# Altium PCB Spektrop2_PCB_Combined_CMV4000_V2.PcbDoc (part 1 of 6) (continued)
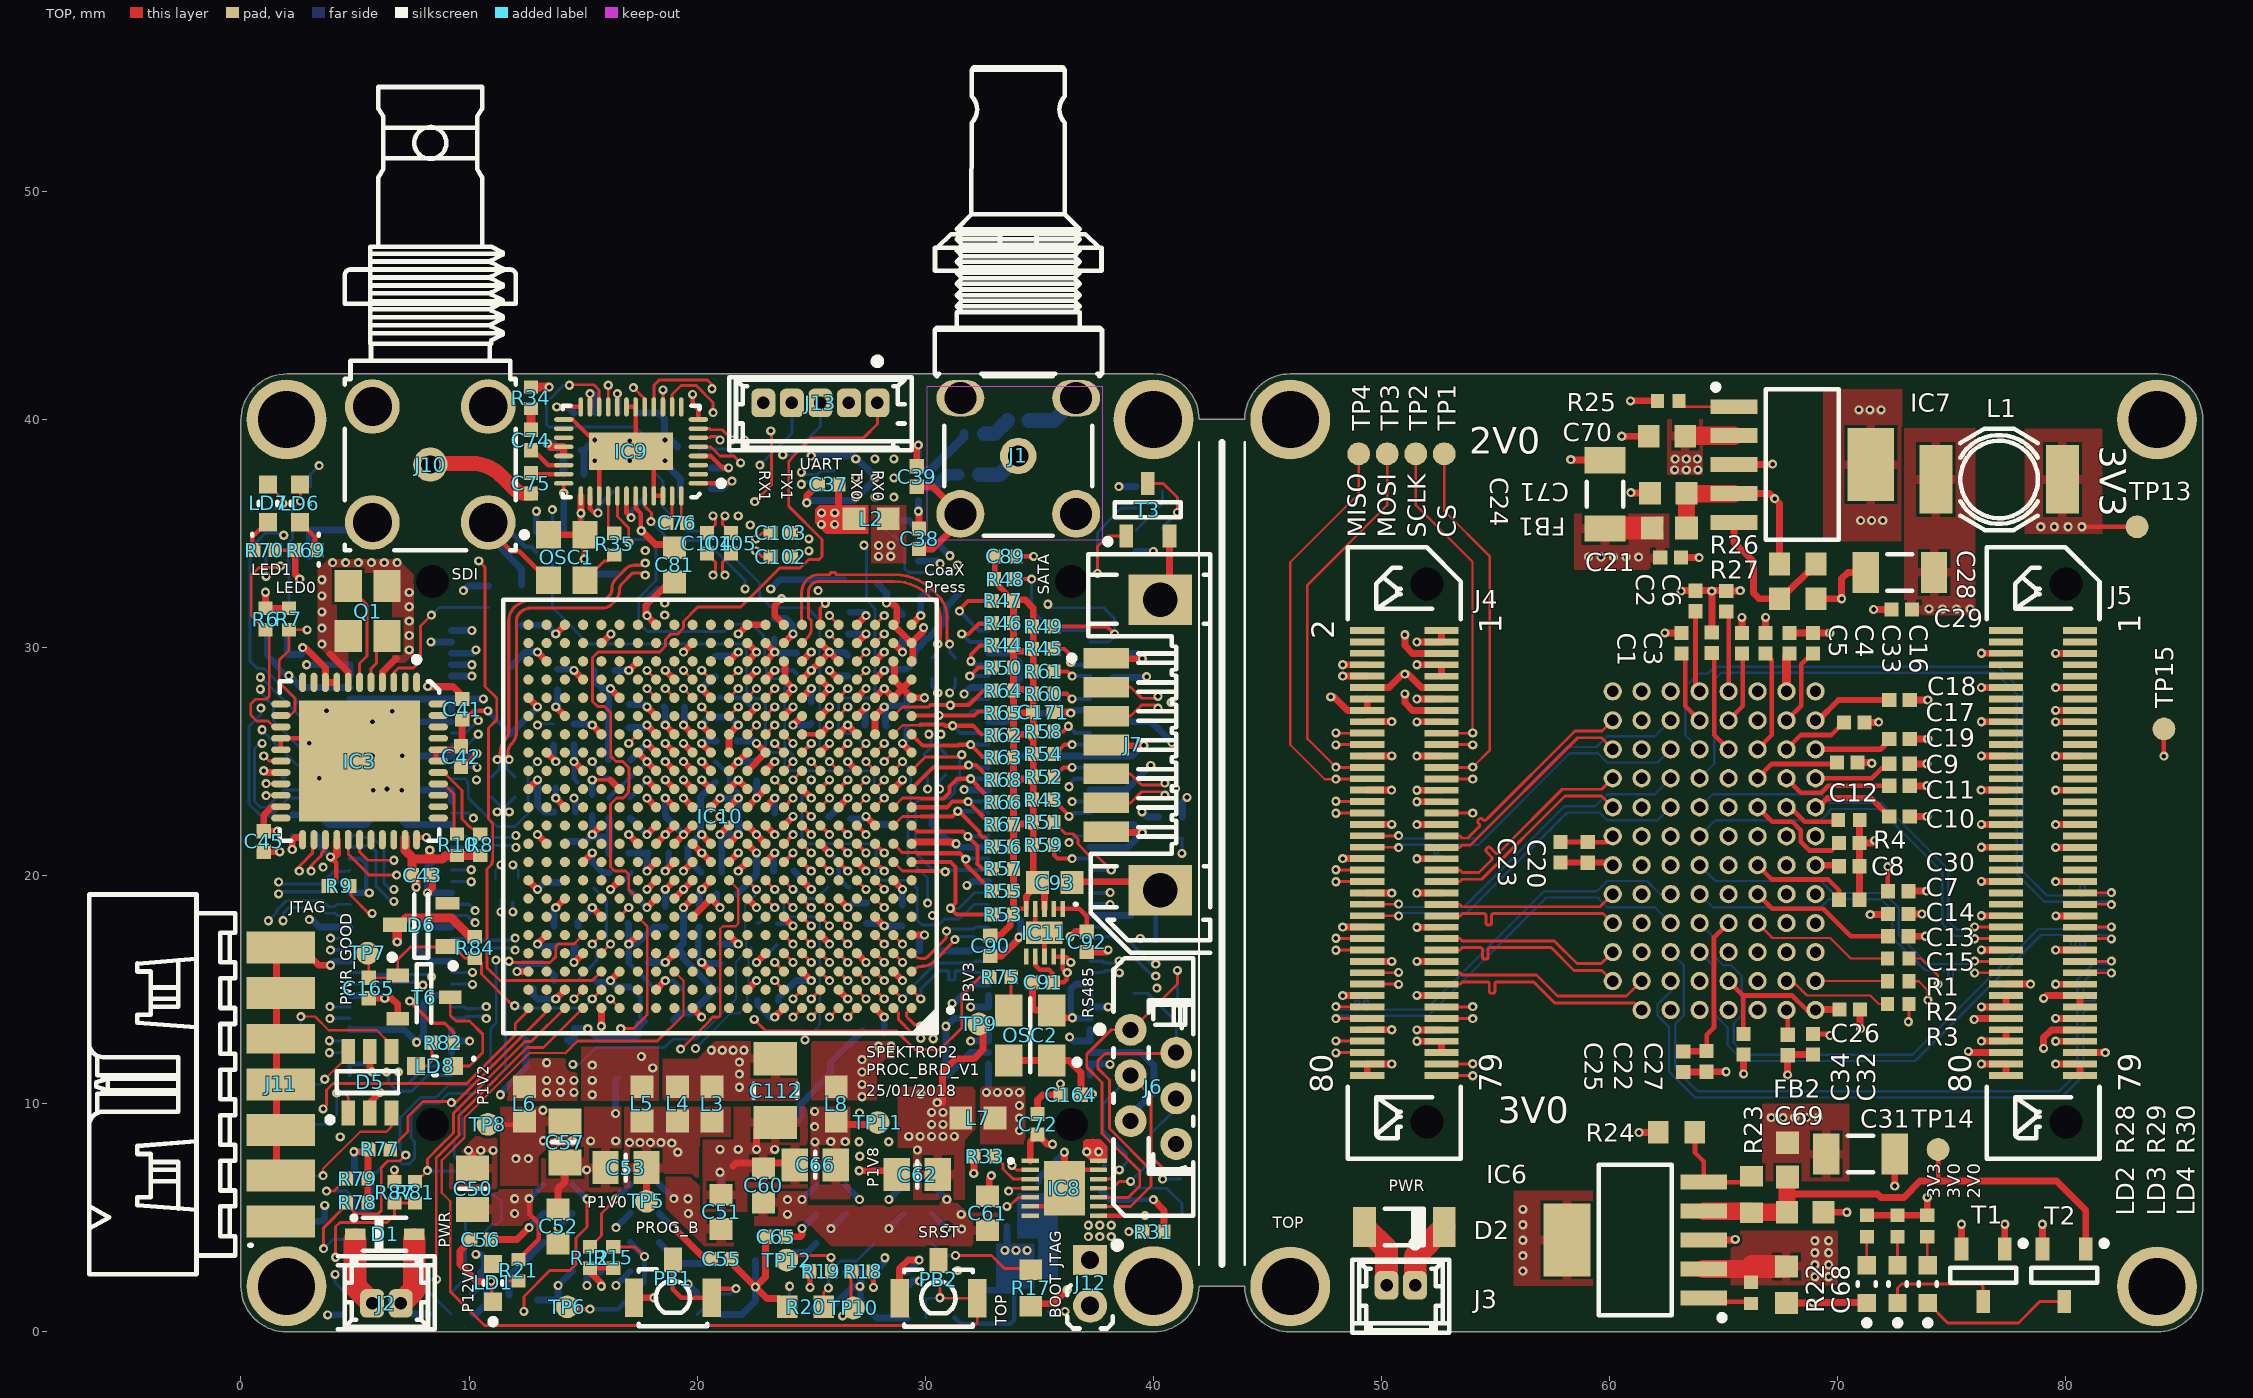
[diagram p0: TOP view]
## Classes and differential pairs
component class U_Zynq_FPGA_Bank35: LD6 LD7 R69 R70 T4 T5
net class FPGA_BANK34_HSTL_IO[3..0]: FPGA_BANK34_HSTL_IO0 FPGA_BANK34_HSTL_IO1 FPGA_BANK34_HSTL_IO2 FPGA_BANK34_HSTL_IO3
net class FPGA_BANK34_HSTL_IN_IO[25..0]: FPGA_BANK34_HSTL_IN_IO0 FPGA_BANK34_HSTL_IN_IO1 FPGA_BANK34_HSTL_IN_IO2 FPGA_BANK34_HSTL_IN_IO3 FPGA_BANK34_HSTL_IN_IO4 FPGA_BANK34_HSTL_IN_IO5 FPGA_BANK34_HSTL_IN_IO6 FPGA_BANK34_HSTL_IN_IO7 FPGA_BANK34_HSTL_IN_IO8 FPGA_BANK34_HSTL_IN_IO9 FPGA_BANK34_HSTL_IN_IO10 FPGA_BANK34_HSTL_IN_IO11 FPGA_BANK34_HSTL_IN_IO12 FPGA_BANK34_HSTL_IN_IO13 FPGA_BANK34_HSTL_IN_IO14 FPGA_BANK34_HSTL_IN_IO15 FPGA_BANK34_HSTL_IN_IO16 FPGA_BANK34_HSTL_IN_IO17 FPGA_BANK34_HSTL_IN_IO18 FPGA_BANK34_HSTL_IN_IO19 FPGA_BANK34_HSTL_IN_IO20 FPGA_BANK34_HSTL_IN_IO21 FPGA_BANK34_HSTL_IN_IO22 FPGA_BANK34_HSTL_IN_IO23 FPGA_BANK34_HSTL_IN_IO24 FPGA_BANK34_HSTL_IN_IO25
net class SE50: FPGA_BANK34_HSTL_IN_IO0 FPGA_BANK34_HSTL_IN_IO1 FPGA_BANK34_HSTL_IN_IO5 FPGA_BANK34_HSTL_IN_IO7 FPGA_BANK34_HSTL_IN_IO8 FPGA_BANK34_HSTL_IN_IO9 FPGA_BANK34_HSTL_IN_IO10 FPGA_BANK34_HSTL_IN_IO11 FPGA_BANK34_HSTL_IN_IO12 FPGA_BANK34_HSTL_IN_IO13 FPGA_BANK34_HSTL_IN_IO14 FPGA_BANK34_HSTL_IN_IO15 FPGA_BANK34_HSTL_IN_IO16 FPGA_BANK34_HSTL_IN_IO17 FPGA_BANK34_HSTL_IN_IO18 FPGA_BANK34_HSTL_IN_IO19 FPGA_BANK34_HSTL_IN_IO20 FPGA_BANK34_HSTL_IN_IO21 FPGA_BANK34_HSTL_IN_IO22 FPGA_BANK34_HSTL_IN_IO23 FPGA_BANK34_HSTL_IN_IO24 FPGA_BANK34_HSTL_IN_IO25 FPGA_BANK34_HSTL_IO0 FPGA_BANK34_HSTL_IO1 FPGA_BANK34_HSTL_IO2 FPGA_BANK34_HSTL_IO3 GS12281_GPIO1 PUDC_B SI5340_LOS_XAXBb Si5340_nLOL SI5340_nRST
net class DIFF100: CLK_MGT0_C_N CLK_MGT0_C_P CLK_MGT0_N CLK_MGT0_P CLK_MGT1_C_N CLK_MGT1_C_P CLK_MGT1_N CLK_MGT1_P FPGA_BANK35_DIFF1_N FPGA_BANK35_DIFF1_P FPGA_BANK35_DIFF2_N FPGA_BANK35_DIFF2_P FPGA_BANK35_DIFF3_N FPGA_BANK35_DIFF3_P FPGA_BANK35_DIFF4_N FPGA_BANK35_DIFF4_P FPGA_BANK35_DIFF5_N FPGA_BANK35_DIFF5_P FPGA_BANK35_DIFF6_N FPGA_BANK35_DIFF6_P FPGA_BANK35_DIFF7_N FPGA_BANK35_DIFF7_P FPGA_BANK35_DIFF8_N FPGA_BANK35_DIFF8_P FPGA_BANK35_DIFF9_N FPGA_BANK35_DIFF9_P FPGA_BANK35_DIFF10_N FPGA_BANK35_DIFF10_P FPGA_BANK35_DIFF11_N FPGA_BANK35_DIFF11_P FPGA_BANK35_DIFF12_N FPGA_BANK35_DIFF12_P FPGA_BANK35_DIFF13_N FPGA_BANK35_DIFF13_P FPGA_BANK35_DIFF14_N FPGA_BANK35_DIFF14_P FPGA_BANK35_DIFF15_N FPGA_BANK35_DIFF15_P FPGA_BANK35_DIFF16_N FPGA_BANK35_DIFF16_P FPGA_BANK35_DIFF17_N FPGA_BANK35_DIFF17_P FPGA_BANK35_DIFF18_N FPGA_BANK35_DIFF18_P FPGA_BANK35_DIFF19_N FPGA_BANK35_DIFF19_P LVDS_CLK_N LVDS_CLK_P MGT_RX0_C_N MGT_RX0_C_P MGT_RX0_N MGT_RX0_P MGT_TX0_C_N MGT_TX0_C_P MGT_TX0_N MGT_TX0_P MGT_TX1_C_N MGT_TX1_C_P MGT_TX1_N MGT_TX1_P MGT_TX2_C_N MGT_TX2_C_P MGT_TX2_N MGT_TX2_P OUT1_N OUT1_P OUT2_N OUT2_P OUT3_N OUT3_P OUT4_N OUT4_P OUT5_N OUT5_P OUT6_N OUT6_P OUT7_N OUT7_P OUT8_N OUT8_P OUT9_N OUT9_P OUT10_N OUT10_P OUT11_N OUT11_P OUT12_N OUT12_P OUT13_N OUT13_P OUT14_N OUT14_P OUT15_N OUT15_P OUT16_N OUT16_P OUTCLK_N OUTCLK_P OUTCTR_N OUTCTR_P
net class Bank34: BANK34_VRN BANK34_VRP COAXPRESS_UPLINK FPGA_BANK34_HSTL_IN_IO0 FPGA_BANK34_HSTL_IN_IO1 FPGA_BANK34_HSTL_IN_IO2 FPGA_BANK34_HSTL_IN_IO3 FPGA_BANK34_HSTL_IN_IO4 FPGA_BANK34_HSTL_IN_IO5 FPGA_BANK34_HSTL_IN_IO6 FPGA_BANK34_HSTL_IN_IO7 FPGA_BANK34_HSTL_IN_IO8 FPGA_BANK34_HSTL_IN_IO9 FPGA_BANK34_HSTL_IN_IO10 FPGA_BANK34_HSTL_IN_IO11 FPGA_BANK34_HSTL_IN_IO12 FPGA_BANK34_HSTL_IN_IO13 FPGA_BANK34_HSTL_IN_IO14 FPGA_BANK34_HSTL_IN_IO15 FPGA_BANK34_HSTL_IN_IO16 FPGA_BANK34_HSTL_IN_IO17 FPGA_BANK34_HSTL_IN_IO18 FPGA_BANK34_HSTL_IN_IO19 FPGA_BANK34_HSTL_IN_IO20 FPGA_BANK34_HSTL_IN_IO21 FPGA_BANK34_HSTL_IN_IO22 FPGA_BANK34_HSTL_IN_IO23 FPGA_BANK34_HSTL_IN_IO24 FPGA_BANK34_HSTL_IN_IO25 FPGA_BANK34_HSTL_IO0 FPGA_BANK34_HSTL_IO1 FPGA_BANK34_HSTL_IO2 FPGA_BANK34_HSTL_IO3 GS12281_GPIO0 GS12281_GPIO1 GS12281_GPIO2 GS12281_GPIO3 GS12281_nCS GS12281_SCLK GS12281_SDIN GS12281_SDOUT PUDC_B RS485_RX RS485_TX SI5340_LOS_XAXBb SI5340_nINTR Si5340_nLOL SI5340_nRST SI5340_SCL SI5340_SDA
net class Bank35: FPGA_BANK35_DIFF1_N FPGA_BANK35_DIFF1_P FPGA_BANK35_DIFF2_N FPGA_BANK35_DIFF2_P FPGA_BANK35_DIFF3_N FPGA_BANK35_DIFF3_P FPGA_BANK35_DIFF4_N FPGA_BANK35_DIFF4_P FPGA_BANK35_DIFF5_N FPGA_BANK35_DIFF5_P FPGA_BANK35_DIFF6_N FPGA_BANK35_DIFF6_P FPGA_BANK35_DIFF7_N FPGA_BANK35_DIFF7_P FPGA_BANK35_DIFF8_N FPGA_BANK35_DIFF8_P FPGA_BANK35_DIFF9_N FPGA_BANK35_DIFF9_P FPGA_BANK35_DIFF10_N FPGA_BANK35_DIFF10_P FPGA_BANK35_DIFF11_N FPGA_BANK35_DIFF11_P FPGA_BANK35_DIFF12_N FPGA_BANK35_DIFF12_P FPGA_BANK35_DIFF13_N FPGA_BANK35_DIFF13_P FPGA_BANK35_DIFF14_N FPGA_BANK35_DIFF14_P FPGA_BANK35_DIFF15_N FPGA_BANK35_DIFF15_P FPGA_BANK35_DIFF16_N FPGA_BANK35_DIFF16_P FPGA_BANK35_DIFF17_N FPGA_BANK35_DIFF17_P FPGA_BANK35_DIFF18_N FPGA_BANK35_DIFF18_P FPGA_BANK35_DIFF19_N FPGA_BANK35_DIFF19_P LED0 LED1
net class Bank13: FPGA_BANK13_IO0 FPGA_BANK13_IO1 FPGA_BANK13_IO2 FPGA_BANK13_IO3 FPGA_BANK13_IO4 FPGA_BANK13_IO5 FPGA_BANK13_IO6 FPGA_BANK13_IO7 FPGA_BANK13_IO8 FPGA_BANK13_IO9 FPGA_BANK13_IO10
net class 75OHM: NetC35_2 NetC36_1 NetC36_2 nSDO0 nSDO0_C SDO0 SDO0_C SDO_P
component class U_UHD_SDI: C74 C75 C76 C77 C78 C79 C80 C81 C82 C83 C84 C85 C86 C87 IC9 J10 OSC1 R34 R35
net class FPGA_BANK13_IO[10..0]: FPGA_BANK13_IO0 FPGA_BANK13_IO1 FPGA_BANK13_IO2 FPGA_BANK13_IO3 FPGA_BANK13_IO4 FPGA_BANK13_IO5 FPGA_BANK13_IO6 FPGA_BANK13_IO7 FPGA_BANK13_IO8 FPGA_BANK13_IO9 FPGA_BANK13_IO10
component class U_Zynq_FPGA_Bank34: C89 C90 C91 C92 C93 C171 IC11 LD? R42 R43 R44 R45 R46 R47 R48 R49 R50 R51 R52 R53 R54 R55 R56 R57 R58 R59 R60 R61 R62 R63 R64 R65 R66 R67 R68 R71 R72 R73 R? T?
component class U_Sensor_Board_Connectors_80_pin: J8 J9
component class U_SATA: J7
component class U_MGT_Clock_Generation: C41 C42 C43 C44 C45 C46 C47 C48 C49 IC3 Q1 R6 R7 R8 R9 R10 R11
net class JTAG: TCK TDI TDO TDO_R TMS
component class U_Zynq_PS: C164 C165 C166 C167 D5 D6 IC12 J11 J12 J13 LD8 OSC2 PB2 R75 R76 R77 R78 R79 R80 R81 R82 R83 R84 R85 R86 R87 R88 R89 R90 T6
component class U_Zynq_Power: C106 C107 C108 C109 C110 C111 C112 C113 C114 C115 C116 C117 C118 C119 C120 C121 C122 C123 C124 C125 C126 C127 C128 C129 C130 C131 C132 C133 C134 C135 C136 C137 C138 C139 C140 C141 C142 C143 C144 C145 C146 C147 C148 C149 C150 C151 C152 C153 C154 C155 C156 C157 C158 C159 C160 C161 C162 C163 L9 L10 L11 L12
component class U_Zynq_MGT: C94 C95 C96 C97 C98 C99 C100 C101 C102 C103 C104 C105 R74
component class U_Zynq_Config: C88 LD5 PB1 R36 R37 R38 R39 R40 R41 T3
net class PWR: GND MGTAVCC MGTAVTT P0V9 P1V0 P1V0_L P1V2 P1V2_F P1V8 P1V8_L P2V0 P2V5 P2V5_R P3V0 P3V3 P3V3_L P12V0 VDD20 VDD33 VDDpix
component class CoaXPress: C35 C36 C37 C38 C39 C40 IC2 J1 L2 R5
component class Power: C50 C51 C52 C53 C54 C55 C56 C57 C58 C59 C60 C61 C62 C63 C64 C65 C66 C67 C168 C169 C170 D1 IC4 IC5 IC13 J2 L3 L4 L5 L6 L7 L8 LD1 R12 R13 R14 R15 R16 R17 R18 R19 R20 R21 R91 TP5 TP6 TP7 TP8 TP9 TP10 TP11 TP12 TP16
component class RS485: C72 C73 C? D3 D4 IC8 J6 R31 R32 R33
component class U_Zynq_FPGA_Bank13: IC10
net class MGT: CLK_MGT0_C_N CLK_MGT0_C_P CLK_MGT0_N CLK_MGT0_P CLK_MGT1_C_N CLK_MGT1_C_P CLK_MGT1_N CLK_MGT1_P MGT_RX0_C_N MGT_RX0_C_P MGT_RX0_N MGT_RX0_P MGT_TX0_C_N MGT_TX0_C_P MGT_TX0_N MGT_TX0_P MGT_TX1_C_N MGT_TX1_C_P MGT_TX1_N MGT_TX1_P MGT_TX2_C_N MGT_TX2_C_P MGT_TX2_N MGT_TX2_P nSDO0 nSDO0_C SDO0 SDO0_C
net class CLK: CLK_MGT0_C_N CLK_MGT0_C_P CLK_MGT0_N CLK_MGT0_P CLK_MGT1_C_N CLK_MGT1_C_P CLK_MGT1_N CLK_MGT1_P
net class HSTL_IN: FPGA_BANK34_HSTL_IN_IO0 FPGA_BANK34_HSTL_IN_IO1 FPGA_BANK34_HSTL_IN_IO5 FPGA_BANK34_HSTL_IN_IO7 FPGA_BANK34_HSTL_IN_IO8 FPGA_BANK34_HSTL_IN_IO10 FPGA_BANK34_HSTL_IN_IO11 FPGA_BANK34_HSTL_IN_IO12 FPGA_BANK34_HSTL_IN_IO13 FPGA_BANK34_HSTL_IN_IO14 FPGA_BANK34_HSTL_IN_IO15 FPGA_BANK34_HSTL_IN_IO16 FPGA_BANK34_HSTL_IN_IO17 FPGA_BANK34_HSTL_IN_IO18 FPGA_BANK34_HSTL_IN_IO19 FPGA_BANK34_HSTL_IN_IO20 FPGA_BANK34_HSTL_IN_IO21 FPGA_BANK34_HSTL_IN_IO22 FPGA_BANK34_HSTL_IN_IO23 FPGA_BANK34_HSTL_IN_IO24 FPGA_BANK34_HSTL_IN_IO25 FPGA_BANK34_HSTL_IO3 GS12281_GPIO1 SI5340_LOS_XAXBb Si5340_nLOL SI5340_nRST
net class CTRL: CLK_IN FRAME_REQ SPI_CLK SPI_EN SPI_IN SPI_OUT SYS_RES_N T_dig1 T_dig2 T_Exp1 T_Exp2
component class U_CMV4000: C1 C2 C3 C4 C5 C6 C7 C8 C9 C10 C11 C12 C13 C14 C15 C16 C17 C18 C19 C20 C21 C22 C23 C24 C25 C26 C27 C28 C29 C30 C31 C32 C33 C34 FB1 FB2 IC1 L1 R1 R2 R3 R4 TP1 TP2 TP3 TP4
component class U_Power: C68 C69 C70 C71 D2 IC6 IC7 J3 LD2 LD3 LD4 R22 R23 R24 R25 R26 R27 R28 R29 R30 T1 T2 TP13 TP14 TP15
component class U_Processor_Board_Connectors: J4 J5
differential pair FPGA_BANK35_DIFF19: +FPGA_BANK35_DIFF19_P -FPGA_BANK35_DIFF19_N
differential pair FPGA_BANK35_DIFF18: +FPGA_BANK35_DIFF18_P -FPGA_BANK35_DIFF18_N
differential pair FPGA_BANK35_DIFF17: +FPGA_BANK35_DIFF17_P -FPGA_BANK35_DIFF17_N
differential pair FPGA_BANK35_DIFF16: +FPGA_BANK35_DIFF16_P -FPGA_BANK35_DIFF16_N
differential pair FPGA_BANK35_DIFF15: +FPGA_BANK35_DIFF15_P -FPGA_BANK35_DIFF15_N
differential pair FPGA_BANK35_DIFF14: +FPGA_BANK35_DIFF14_P -FPGA_BANK35_DIFF14_N
differential pair FPGA_BANK35_DIFF13: +FPGA_BANK35_DIFF13_P -FPGA_BANK35_DIFF13_N
differential pair FPGA_BANK35_DIFF12: +FPGA_BANK35_DIFF12_P -FPGA_BANK35_DIFF12_N
differential pair FPGA_BANK35_DIFF11: +FPGA_BANK35_DIFF11_P -FPGA_BANK35_DIFF11_N
differential pair FPGA_BANK35_DIFF10: +FPGA_BANK35_DIFF10_P -FPGA_BANK35_DIFF10_N
differential pair FPGA_BANK35_DIFF9: +FPGA_BANK35_DIFF9_P -FPGA_BANK35_DIFF9_N
differential pair FPGA_BANK35_DIFF8: +FPGA_BANK35_DIFF8_P -FPGA_BANK35_DIFF8_N
differential pair FPGA_BANK35_DIFF7: +FPGA_BANK35_DIFF7_P -FPGA_BANK35_DIFF7_N
differential pair FPGA_BANK35_DIFF6: +FPGA_BANK35_DIFF1_P -FPGA_BANK35_DIFF1_N
differential pair FPGA_BANK35_DIFF5: +FPGA_BANK35_DIFF5_P -FPGA_BANK35_DIFF5_N
differential pair FPGA_BANK35_DIFF4: +FPGA_BANK35_DIFF4_P -FPGA_BANK35_DIFF4_N
differential pair FPGA_BANK35_DIFF3: +FPGA_BANK35_DIFF3_P -FPGA_BANK35_DIFF3_N
differential pair FPGA_BANK35_DIFF2: +FPGA_BANK35_DIFF2_P -FPGA_BANK35_DIFF2_N
differential pair FPGA_BANK35_DIFF1: +FPGA_BANK35_DIFF6_P -FPGA_BANK35_DIFF6_N
differential pair MGT_TX1: +MGT_TX1_P -MGT_TX1_N
differential pair CLK_MGT1: +CLK_MGT1_P -CLK_MGT1_N
differential pair CLK_MGT1_C: +CLK_MGT1_C_P -CLK_MGT1_C_N
differential pair CLK_MGT0: +CLK_MGT0_P -CLK_MGT0_N
differential pair CLK_MGT0_C: +CLK_MGT0_C_P -CLK_MGT0_C_N
differential pair MGT_TX0: +MGT_TX0_P -MGT_TX0_N
differential pair MGT_TX2: +MGT_TX2_P -MGT_TX2_N
differential pair MGT_TX0_C: +MGT_TX0_C_P -MGT_TX0_C_N
differential pair MGT_TX1_C: +MGT_TX1_C_P -MGT_TX1_C_N
differential pair MGT_TX2_C: +MGT_TX2_C_P -MGT_TX2_C_N
differential pair MGT_RX0_C: +MGT_RX0_C_P -MGT_RX0_C_N
differential pair MGT_RX0: +MGT_RX0_P -MGT_RX0_N
differential pair LVDS_CLK: +LVDS_CLK_P -LVDS_CLK_N
differential pair OUT1: +OUT1_P -OUT1_N
differential pair OUT2: +OUT2_P -OUT2_N
differential pair OUT3: +OUT3_P -OUT3_N
differential pair OUT4: +OUT4_P -OUT4_N
differential pair OUT5: +OUT5_P -OUT5_N
differential pair OUT6: +OUT6_P -OUT6_N
differential pair OUT7: +OUT7_P -OUT7_N
differential pair OUT8: +OUT8_P -OUT8_N
differential pair OUT9: +OUT9_P -OUT9_N
differential pair OUT10: +OUT10_P -OUT10_N
differential pair OUT11: +OUT11_P -OUT11_N
differential pair OUT12: +OUT12_P -OUT12_N
differential pair OUT13: +OUT13_P -OUT13_N
differential pair OUT14: +OUT14_P -OUT14_N
differential pair OUT15: +OUT15_P -OUT15_N
differential pair OUT16: +OUT16_P -OUT16_N
differential pair OUTCLK: +OUTCLK_P -OUTCLK_N
differential pair OUTCTR: +OUTCTR_P -OUTCTR_N

## Components (designator, comment, footprint, x,y, rotation, side; value= is the part's Value field where it differs from the comment)
C1 "100nF" CAPC1005X55N 63.158,30.197 r270 top locked
C2 "100nF" CAPC1005X55N 63.767,32.043 r270 top locked
C3 "100nF" CAPC1005X55N 64.478,30.215 r270 top locked
C4 "100nF" CAPC1005X55N 66.841,30.196 r270 top locked
C5 "100nF" CAPC1005X55N 65.799,30.196 r270 top locked
C6 "100nF" CAPC1005X55N 65.113,32.036 r270 top locked
C7 "100nF" CAPC1005X55N 70.506,18.946 r180 top locked
C8 "100nF" CAPC1005X55N 70.506,21.433 r180 top locked
C9 "100nF" CAPC1005X55N 72.708,24.906 r180 top locked
C10 "100nF" CAPC1005X55N 72.708,22.595 r180 top locked
C11 "100nF" CAPC1005X55N 72.708,23.941 r180 top locked
C12 "100nF" CAPC1005X55N 70.415,24.957 r180 top locked
C13 "100nF" CAPC1005X55N 72.65,18.321 r180 top locked
C14 "100nF" CAPC1005X55N 72.65,19.321 r180 top locked
C15 "100nF" CAPC1005X55N 72.65,17.346 r180 top locked
C16 "100nF" CAPC1005X55N 68.923,30.196 r270 top locked
C17 "100nF" CAPC1005X55N 70.725,26.721 r180 top locked
C18 "100nF" CAPC1005X55N 72.708,27.7 r180 top locked
C19 "100nF" CAPC1005X55N 72.708,25.998 r180 top locked
C20 "100nF" CAPC1005X55N 57.849,21.027 r270 top locked
C21 "100nF" CAPC1005X55N 62.672,33.942 r0 top locked
C22 "100nF" CAPC1005X55N 64.25,11.858 r270 top locked
C23 "100nF" CAPC1005X55N 59.043,21.02 r270 top locked
C24 "22uF" CAPC3216X180N 59.797,36.717 r270 top locked
C25 "100nF" CAPC1005X55N 63.225,11.846 r90 top locked
C26 "100nF" CAPC1005X55N 70.524,14.136 r0 top locked
C27 "100nF" CAPC1005X55N 65.875,12.612 r270 top locked
C28 "22uF" CAPC3216X180N 72.725,33.296 r0 top locked
C29 "100nF" CAPC1005X55N 72.8,31.671 r0 top locked
C30 "100nF" CAPC1005X55N 70.506,20.417 r180 top locked
C31 "22uF" CAPC3216X180N 71,7.796 r180 top locked
C32 "100nF" CAPC1005X55N 68.923,12.612 r90 top locked
C33 "100nF" CAPC1005X55N 67.882,30.196 r270 top locked
C34 "100nF" CAPC1005X55N 67.806,12.58 r90 top locked
C35 "33nF" CAPC1005X55N 31.925,37.575 r180 bottom
C36 "33nF" CAPC1005X55N 32.15,39.375 r180 bottom locked
C37 "100nF" CAPC1005X55N 25.75,37.15 r180 top locked
C38 "10nF" CAPC1005X55N 29.725,34.775 r270 top locked
C39 "10nF" CAPC1005X55N 29.625,37.5 r270 top locked
C40 "10nF" CAPC1005X55N 29.7,34.25 r270 bottom locked
C41 "1uF" CAPC1005X55N 9.7,27.3 r270 top locked
C42 "1uF" CAPC1005X55N 9.65,25.225 r90 top locked
C43 "1uF" CAPC1005X55N 7.95,20.025 r180 top locked
C44 "1uF" CAPC1005X55N 3.3,22.225 r270 bottom locked
C45 "1uF" CAPC1005X55N 1,21.5 r90 top locked
C46 "1uF" CAPC1005X55N 1.575,30.725 r0 bottom locked
C47 "1uF" CAPC1005X55N 1.575,29.7 r0 bottom locked
C48 "1uF" CAPC1005X55N 2.325,24.35 r180 bottom locked
C49 "1uF" CAPC1005X55N 2.25,22.225 r270 bottom locked
C50 "10uF" CAPC2012X95N 10.15,6.275 r270 top locked
C51 "4.7uF" CAPC1709X95N 21.045,5.26 r270 top locked
C52 "4.7uF" CAPC1709X95N 13.9,4.625 r270 top locked
C53 "47uF" CAPC2012X140N 16.875,7.2 r0 top locked
C54 "22uF" CAPC1709X100N 18.4,9.216 r180 bottom locked
C55 "100nF" CAPC1005X55N 21.05,3.2 r180 top locked
C56 "100nF" CAPC1005X55N 10.5,4.05 r0 top locked
C57 "47uF" CAPC2012X140N 14.2,8.325 r90 top locked
C58 "22uF" CAPC1709X100N 14.825,9.225 r180 bottom
C59 "10uF" CAPC2012X95N 22.6,6.025 r270 bottom locked
C60 "4.7uF" CAPC1709X95N 22.9,6.425 r270 top locked
C61 "4.7uF" CAPC1709X95N 32.725,5.2 r270 top locked
C62 "47uF" CAPC2012X140N 29.65,6.9 r0 top locked
C63 "22uF" CAPC1709X100N 28.725,9.45 r0 bottom locked
C64 "100nF" CAPC1005X55N 24.5,1.025 r180 bottom locked
C65 "100nF" CAPC1005X55N 23.44,4.173 r0 top locked
C66 "47uF" CAPC2012X140N 25.175,7.325 r0 top locked
C67 "22uF" CAPC1709X100N 25.147,9.2 r0 bottom locked
C68 "1uF" CAPC1608X87N 67.75,2.071 r90 top locked
C69 "1uF" CAPC1608X87N 68.575,5.246 r0 top locked
C70 "1uF" CAPC1608X87N 62.522,39.267 r0 top locked
C71 "1uF" CAPC1608X87N 62.572,36.767 r180 top locked
C72 "100nF" CAPC1005X55N 34.925,9.1 r270 top locked
C73 "1uF" CAPC1005X55N 37.7,6.65 r90 bottom locked
C74 "4.7uF" CAPC1005X55N 12.712,39.1 r90 top locked
C75 "4.7uF" CAPC1005X55N 12.712,37.208 r270 top locked
C76 "470nF" CAPC1005X55N 19.096,35.468 r180 top locked
C77 "10nF" CAPC1005X55N 12.944,34.642 r90 bottom locked
C78 "10nF" CAPC1005X55N 19.6,38.8 r0 bottom locked
C79 "1uF" CAPC1005X55N 20.55,37.45 r90 bottom locked
C80 "100nF" CAPC1005X55N 16.989,40.277 r180 bottom locked
C81 "10uF" CAPC1608X80N 19,33.625 r90 top locked
C82 "100nF" CAPC1005X55N 14.6,35.1 r0 bottom locked
C83 "100nF" CAPC1005X55N 15.1,40.275 r180 bottom locked
C84 "10uF" CAPC1608X80N 16.3,37.575 r270 bottom locked
C85 "10uF" CAPC1608X80N 18.525,36.65 r180 bottom locked
C86 "100nF" CAPC1005X55N 14.584,38.649 r180 bottom locked
C87 "100nF" CAPC1005X55N 14.584,37.61 r180 bottom locked
C88 "100nF" CAPC1005X55N 21.025,1.22 r90 bottom locked
C89 "100nF" CAPC1005X55N 33.5,34 r180 top locked
C90 "100nF" CAPC1005X55N 32.85,16.925 r90 top locked
C91 "1uF" CAPC1005X55N 35.15,15.325 r0 top locked
C92 "100nF" CAPC1005X55N 37.075,17.1 r270 top locked
C93 "10uF" CAPC1608X80N 35.675,19.7 r180 top locked
C94 "100nF" CAPC1005X55N 10.995,23.886 r90 bottom locked
C95 "100nF" CAPC1005X55N 12,23.886 r90 bottom locked
C96 "100nF" CAPC1005X55N 11.153,19.426 r90 bottom
C97 "100nF" CAPC1005X55N 12.158,19.426 r90 bottom
C98 "100nF" CAPC1005X55N 30.298,29.106 r90 bottom locked
C99 "100nF" CAPC1005X55N 29.945,24.874 r270 bottom locked
C100 "100nF" CAPC1005X55N 31.314,29.106 r90 bottom locked
C101 "100nF" CAPC1005X55N 30.9,24.875 r270 bottom locked
C102 "100nF" CAPC1005X55N 23.667,33.98 r180 top locked
C103 "100nF" CAPC1005X55N 23.667,35.029 r180 top locked
C104 "100nF" CAPC1005X55N 20.432,34.571 r90 top locked
C105 "100nF" CAPC1005X55N 21.48,34.571 r90 top locked
C106 "4.7uF" CAPC1005X55N 23.4,30.825 r270 bottom locked
C107 "100nF" CAPC1005X55N 26.7,31.1 r90 bottom locked
C108 "100nF" CAPC1005X55N 29,31 r90 bottom locked
C109 "330uF" CAPMP3528X210N 24.525,11.75 r0 bottom locked
C110 "4.7uF" CAPC1005X55N 16.6,25.1 r180 bottom locked
C111 "4.7uF" CAPC1005X55N 23.8,20.2 r0 bottom locked
C112 "100uF" CAPC3216X190N 23.425,10.575 r270 top locked
C113 "4.7uF" CAPC1005X55N 20.1,18.2 r270 bottom locked
C114 "47uF" CAPC2012X140N 13.4,12.8 r180 bottom locked
C115 "4.7uF" CAPC1005X55N 28.993,18.331 r270 bottom locked
C116 "4.7uF" CAPC1005X55N 29.199,26.9 r90 bottom locked
C117 "47uF" CAPC2012X140N 12.3,31.85 r90 bottom locked
C118 "4.7uF" CAPC1005X55N 16.564,27.5 r180 bottom locked
C119 "4.7uF" CAPC1005X55N 15.936,28.991 r180 bottom locked
C120 "47uF" CAPC2012X140N 14.199,20.6 r90 bottom locked
C121 "470nF" CAPC1005X55N 18.599,18.2 r270 bottom locked
C122 "470nF" CAPC1005X55N 16.7,22.5 r180 bottom locked
C123 "470nF" CAPC1005X55N 17.1,19.7 r90 bottom locked
C124 "470nF" CAPC1005X55N 21.3,19.2 r180 bottom locked
C125 "470nF" CAPC1005X55N 16.549,21 r180 bottom locked
C126 "470nF" CAPC1005X55N 18.3,21 r0 bottom locked
C127 "470nF" CAPC1005X55N 16.7,23.4 r180 bottom locked
C128 "470nF" CAPC1005X55N 26.275,22.5 r180 bottom locked
C129 "470nF" CAPC1005X55N 19,27.4 r0 bottom locked
C130 "470nF" CAPC1005X55N 15.4,23.1 r270 bottom locked
C131 "470nF" CAPC1005X55N 13.869,28.6 r270 bottom locked
C132 "470nF" CAPC1005X55N 20.9,29.175 r90 bottom locked
C133 "470nF" CAPC1005X55N 14.599,26.2 r270 bottom locked
C134 "4.7uF" CAPC1005X55N 26.6,29.3 r90 bottom locked
C135 "100nF" CAPC1005X55N 24.349,29.318 r90 bottom locked
C136 "100nF" CAPC1005X55N 27.799,26.6 r0 bottom locked
C137 "47uF" CAPC2012X140N 27.325,32.975 r0 bottom locked
C138 "4.7uF" CAPC1005X55N 23.5,17.435 r270 bottom locked
C139 "4.7uF" CAPC1005X55N 23.1,14.525 r180 bottom locked
C140 "100uF" CAPC3216X190N 17.925,33.225 r0 bottom locked
C141 "4.7uF" CAPC1005X55N 17.449,16.2 r180 bottom locked
C142 "470nF" CAPC1005X55N 20.999,16.6 r270 bottom locked
C143 "100uF" CAPC3216X190N 17.875,11.1 r180 bottom locked
C144 "4.7uF" CAPC1005X55N 21.3,25.9 r180 bottom locked
C145 "470nF" CAPC1005X55N 22.6,24.6 r90 bottom locked
C146 "4.7uF" CAPC1005X55N 29.175,28.6 r270 bottom locked
C147 "470nF" CAPC1005X55N 27.75,13.2 r180 bottom locked
C148 "470nF" CAPC1005X55N 30.199,16.7 r0 bottom locked
C149 "470nF" CAPC1005X55N 27.425,18.275 r270 bottom locked
C150 "470nF" CAPC1005X55N 20.625,20.15 r0 bottom locked
C151 "100nF" CAPC1005X55N 20.825,24.55 r90 bottom locked
C152 "47uF" CAPC2012X140N 29.4,22.25 r0 bottom locked
C153 "4.7uF" CAPC1005X55N 13.724,17.35 r90 bottom locked
C154 "470nF" CAPC1005X55N 14.215,24.1 r0 bottom locked
C155 "470nF" CAPC1005X55N 12.8,15.7 r90 bottom locked
C156 "100uF" CAPC3216X190N 11.696,27.737 r90 bottom locked
C157 "4.7uF" CAPC1005X55N 21,27.4 r90 bottom locked
C158 "470nF" CAPC1005X55N 16.564,26.45 r180 bottom locked
C159 "100uF" CAPC3216X190N 29.725,11.35 r0 bottom locked
C160 "4.7uF" CAPC1005X55N 14.679,17.342 r270 bottom locked
C161 "470nF" CAPC1005X55N 17.5,15.2 r0 bottom locked
C162 "470nF" CAPC1005X55N 19.675,16.825 r0 bottom locked
C163 "10uF" CAPC1608X80N 20.05,15.1 r180 bottom
C164 "100nF" CAPC1005X55N 36.375,10.4 r180 top locked
C165 "4.7uF" CAPC1005X55N 5.6,15.075 r270 top locked
C166 "100nF" CAPC1005X55N 29.565,0.616 r180 bottom locked
C167 "100nF" CAPC1005X55N 10.15,1.25 r270 bottom locked
C168 "1uF" CAPC1005X55N 31.3,1.025 r90 bottom locked
C169 "10uF" CAPC1005X70N 34.975,6.1 r270 bottom locked
C170 "1uF" CAPC1005X55N 34.025,4.625 r0 bottom locked
C171 "100nF" CAPC1005X55N 35.175,27.175 r180 top
D1 "CDSOD323-T12" SOD2513X114N 6.3,4.275 r0 top locked
D2 "BZV55-B3V3" DIOMELF3515N 51,4.596 r180 top locked
D3 "SM712" SOT95P237X112-3N 40.1,16 r90 bottom locked
D4 "SM712" SOT95P237X112-3N 40.1,5.8 r180 bottom locked
D5 "PESD3V3S4UD" SOT95P280X110-6N 5.65,10.95 r90 top locked
D6 "BAT54" SOT95P240X130-3N 7.9,17.85 r180 top locked
FB1 "120R@100MHz" INDC1608X65N 62.622,35.242 r180 top locked
FB2 "120R@100MHz" INDC1608X65N 67.8,7.546 r90 top locked
IC1 "CMV4000-2E5C1PP" CMOSIS_CMV4000 64.58,21.096 r180 bottom locked
IC2 "EQCO62T20.3" QFN65P400X400X95-17N-S215 27.85,37.425 r0 bottom locked
IC3 "SI5340B-D-GM" QFN50P700X700X90-45N-S530 5.2,25.025 r270 top locked
IC4 "LTM4622AEY#PBF" BGA25C127P5X5_625X625X262 15.795,5.2 r270 bottom locked
IC5 "LTM4622AEY#PBF" BGA25C127P5X5_625X625X262 27.76,5.16 r270 bottom locked
IC6 "MCP1826T-ADJE/DC" SOT127P700X180-6N 61.126,4.027 r180 top locked
IC7 "MCP1826T-ADJE/DC" SOT127P700X180-6N 68.45,38.021 r0 top locked
IC8 "MAX13433EETD+" SON40P300X300X80-15N-R180X240 36.1,6.3 r0 top locked
IC9 "GS12281-INE3" QFN40P600X400X100-41N-R370X168 17.1,38.6 r180 top locked
IC10 "XC7Z015-2CLG485E" BGA484C80P22X22_1900X1900X160 20.999,22.6 r180 top locked
IC11 "TPS51206DSQT" SON40P200X200X80-11N-R100X160 35.225,17.5 r270 top locked
IC12 "S25FL128LAGNFV01" SON127P600X500X80-9N-R350X410 7.825,4.69 r0 bottom locked
IC13 "LP38693SDX-5.0/NOPB" SON95P300X300X80-7N-R170X220 33.925,1.825 r0 bottom locked
J1 "75R" AMPHENOL_282139-75 34.075,38.4 r270 top locked
J2 "PicoBlade" MOLEX_53047-0210 6.375,1.25 r0 top locked
J3 "PicoBlade" MOLEX_53047-0210 50.85,2.046 r180 top locked
J4 "Header 80" SAMTEC_ERM5-040-05.0-L-DV-K 51,20.996 r90 top locked
J5 "Header 80" SAMTEC_ERM5-040-05.0-L-DV-K 79,20.996 r90 top locked
J6 "FFC/FPC" MOLEX_52030-0629 40,10.741 r270 top locked
J7 "SATA" 3M_5607-4200-SH 37.94,25.73 r90 top
J8 "Socket 80" SAMTEC_ERF5-040-05.0-L-DV-K 7,21 r90 bottom locked
J9 "Socket 80" SAMTEC_ERF5-040-05.0-L-DV-K 35,21 r90 bottom locked
J10 "HD-BNC" AMPHENOL_34-1030-12G 8.3,38.025 r270 top locked
J11 "Milli-Grid™" MOLEX_87831-1420_h -0.25,10.85 r90 top locked
J12 "Header 2" HARWIN_M22-2510205 37.225,3.15 r270 top locked
J13 "PicoBlade" MOLEX_53047-0510 25.4,40.725 r180 top locked
L1 "2.2uH" IND_BOURNS_SDR6603 77.075,37.371 r180 top locked
L2 "120R@100MHz" INDC1608X65N 27.625,35.65 r180 top locked
L3 "120R@100MHz" INDC1608X65N 20.65,10 r90 top locked
L4 "120R@100MHz" INDC1608X65N 19.137,10 r90 top locked
L5 "120R@100MHz" INDC1608X65N 17.575,10 r90 top locked
L6 "120R@100MHz" INDC1608X65N 12.425,10 r90 top locked
L7 "120R@100MHz" INDC1608X65N 32.3,9.375 r0 top
L8 "120R@100MHz" INDC1608X65N 26.1,10 r90 top locked
L9 "120R@100MHz" INDC1608X65N 19.4,22.6 r180 bottom locked
L10 "120R@100MHz" INDC1608X65N 22.6,22.6 r0 bottom locked
L11 "120R@100MHz" INDC1608X65N 31.025,32.6 r0 bottom locked
L12 "120R@100MHz" INDC1608X65N 18.225,13.65 r0 bottom locked
LD1 "Green" LED_KINGBRIGHT_KPH-1608CGCK 11.05,2.15 r90 top locked
LD2 "Green" LED_KINGBRIGHT_KPH-1608CGCK 71.275,2.096 r90 top locked
LD3 "Green" LED_KINGBRIGHT_KPH-1608CGCK 72.625,2.096 r90 top locked
LD4 "Green" LED_KINGBRIGHT_KPH-1608CGCK 73.95,2.096 r90 top locked
LD5 "Green" LED_KINGBRIGHT_KPH-1608CGCK 40.403,36.047 r90 bottom locked
LD6 "Green" LED_KINGBRIGHT_KPH-1608CGCK 2.586,36.321 r270 top locked
LD7 "Green" LED_KINGBRIGHT_KPH-1608CGCK 1.186,36.321 r270 top locked
LD8 "Green" LED_KINGBRIGHT_KPH-1608CGCK 8.5,11.662 r180 top locked
OSC1 "27MHz" OSCCC200X250X90-4N 14.275,33.95 r0 top locked
OSC2 "33.33333MHz" OSC_SI-TIME_3.2X2.5X0.75mm 34.6,13 r180 top locked
PB1 "Push Button" PB_OMRON_B3U-1100P 18.935,1.5 r180 top locked
PB2 "Push Button" PB_OMRON_B3U-1100P 30.575,1.475 r180 top locked
Q1 "48MHz" XTAL_TXC_7M 5.55,31.6 r0 top locked
R1 "22" RESC1005X40N 72.648,16.371 r180 top locked
R2 "22" RESC1005X40N 72.648,15.371 r180 top locked
R3 "22" RESC1005X40N 72.648,14.371 r180 top locked
R4 "0" RESC1005X40N 70.491,22.449 r180 top locked
R5 "75" RESC1005X40N 34.075,39.95 r180 bottom locked
R6 "4k7" RESC1005X40N 1.075,31.25 r270 top locked
R7 "4k7" RESC1005X40N 2.1,31.25 r270 top locked
R8 "4k7" RESC1005X40N 10.491,21.355 r90 top locked
R9 "4k7" RESC1005X40N 4.3,19.55 r0 top locked
R10 "4k7" RESC1005X40N 9.471,21.355 r270 top locked
R11 "4k7" RESC1005X40N 10.85,32.225 r90 bottom locked
R12 "10k" RESC1005X40N 15.3,3.26 r90 top locked
R13 "60k4" RESC1608X55N 12.375,1.4 r180 bottom locked
R14 "90k9" RESC1608X55N 21.09,3.8 r270 bottom locked
R15 "10k" RESC1005X40N 16.319,3.26 r90 top locked
R16 "30k1" RESC1608X55N 23.35,3.14 r0 bottom locked
R17 "13k3" RESC1608X55N 34.625,1.925 r90 top locked
R18 "10k" RESC1005X40N 27.25,2.65 r180 top locked
R19 "10k" RESC1005X40N 25.415,2.66 r0 top locked
R20 "324k" RESC1608X55N 24.75,1.1 r0 top locked
R21 "10k" RESC1005X40N 12.16,2.7 r90 top locked
R22 "10k" RESC1005X40N 66.204,1.711 r270 top
R23 "4k3" RESC1608X55N 66.225,6.021 r270 top locked
R24 "680" RESC1608X55N 62.942,8.752 r0 top locked
R25 "10k" RESC1005X40N 62.572,40.817 r0 top locked
R26 "6k2" RESC1608X55N 68.247,33.667 r180 top locked
R27 "1k6" RESC1608X55N 68.247,32.142 r180 top locked
R28 "1k" RESC1005X40N 71.275,4.646 r90 top locked
R29 "10k" RESC1005X40N 72.624,4.646 r90 top locked
R30 "10k" RESC1005X40N 73.925,4.646 r90 top locked
R31 "4k7" RESC1005X40N 40,4.4 r180 top locked
R32 "100" RESC1005X40N 39.3,7.8 r0 bottom locked
R33 "4k7" RESC1005X40N 32.6,7.7 r180 top locked
R34 "75" RESC1005X40N 12.712,40.95 r90 top locked
R35 "22" RESC1005X40N 16.361,34.545 r90 top locked
R36 "22" RESC1005X40N 22.625,17.45 r90 bottom locked
R37 "4k7" RESC1005X40N 13.7,26.193 r90 bottom locked
R38 "0" RESC1005X40N 16.5,24.3 r180 bottom locked
R39 "1k" RESC1005X40N 39.242,34.687 r270 bottom locked
R40 "4k7" RESC1005X40N 19.995,1.235 r90 bottom locked
R41 "330" RESC1005X40N 39.242,36.587 r90 bottom locked
R42 "100" RESC1005X40N 26.2,19.5 r0 bottom locked
R43 "49R9" RESC1005X40N 35.175,23.34 r180 top locked
R44 "49R9" RESC1005X40N 33.4,30.1 r0 top locked
R45 "49R9" RESC1005X40N 35.175,29.942 r180 top locked
R46 "49R9" RESC1005X40N 33.4,31.075 r0 top locked
R47 "49R9" RESC1005X40N 33.4,32.05 r0 top locked
R48 "49R9" RESC1005X40N 33.5,33 r180 top locked
R49 "49R9" RESC1005X40N 35.175,30.925 r180 top locked
R50 "49R9" RESC1005X40N 33.4,29.125 r0 top locked
R51 "49R9" RESC1005X40N 35.175,22.345 r180 top locked
R52 "49R9" RESC1005X40N 35.175,24.335 r180 top locked
R53 "49R9" RESC1005X40N 33.4,18.3 r0 top locked
R54 "49R9" RESC1005X40N 35.175,25.33 r180 top locked
R55 "49R9" RESC1005X40N 33.4,19.325 r0 top locked
R56 "49R9" RESC1005X40N 33.4,21.277 r0 top locked
R57 "49R9" RESC1005X40N 33.4,20.3 r0 top locked
R58 "49R9" RESC1005X40N 35.175,26.325 r180 top locked
R59 "49R9" RESC1005X40N 35.175,21.35 r180 top locked
R60 "49R9" RESC1005X40N 35.175,27.975 r180 top locked
R61 "49R9" RESC1005X40N 35.175,28.958 r180 top locked
R62 "49R9" RESC1005X40N 33.4,26.162 r0 top locked
R63 "49R9" RESC1005X40N 33.4,25.185 r0 top locked
R64 "49R9" RESC1005X40N 33.4,28.115 r0 top locked
R65 "49R9" RESC1005X40N 33.4,27.138 r0 top locked
R66 "49R9" RESC1005X40N 33.4,23.231 r0 top locked
R67 "49R9" RESC1005X40N 33.4,22.254 r0 top locked
R68 "49R9" RESC1005X40N 33.4,24.208 r0 top locked
R69 "1k" RESC1005X40N 2.85,34.275 r180 top locked
R70 "1k" RESC1005X40N 1.03,34.275 r0 top locked
R71 "100" RESC1005X40N 14.2,22.7 r0 bottom locked
R72 "Undefined" RESC1005X40N 40.231,22.111 r270 bottom locked
R73 "1k" RESC1005X40N 41.271,22.111 r90 bottom locked
R74 "100" RESC1005X40N 24.9,27.125 r270 bottom locked
R75 "22" RESC1005X40N 33.293,15.557 r0 top locked
R76 "4k7" RESC1005X40N 4.6,1.225 r270 bottom locked
R77 "20k" RESC1005X40N 6.075,8 r180 top locked
R78 "20k" RESC1005X40N 5.1,5.675 r0 top locked
R79 "20k" RESC1005X40N 5.1,6.725 r0 top locked
R80 "20k" RESC1005X40N 8.215,1.25 r270 bottom locked
R81 "20k" RESC1005X40N 7.625,6.125 r270 top locked
R82 "1k" RESC1005X40N 8.85,12.675 r0 top locked
R83 "10k" RESC1005X40N 29.55,1.475 r180 bottom locked
R84 "20k" RESC1005X40N 10.25,16.85 r90 top locked
R85 "20k" RESC1005X40N 15.8,19.8 r225 bottom locked
R86 "20k" RESC1005X40N 15.6,15.8 r90 bottom locked
R87 "1k" RESC1005X40N 6.725,6.125 r90 top locked
R88 "Undefined" RESC1005X40N 14.2,15.4 r180 bottom locked
R89 "Undefined" RESC1005X40N 16.5,17.9 r0 bottom locked
R90 "22" RESC1005X40N 9.2,1.25 r90 bottom locked
R91 "0" RESC1005X40N 35.975,4.625 r0 bottom locked
T1 "BSH103" SOT95P230X110-3N 76.375,2.48 r270 top locked
T2 "BSH103" SOT95P230X110-3N 79.925,2.48 r270 top locked
T3 "BSH103" SOT95P230X110-3N 39.753,36.047 r90 top locked
T4 "BSH103" SOT95P230X110-3N 2.05,32.85 r270 bottom locked
T5 "BSH103" SOT95P230X110-3N 1.9,36.1 r180 bottom locked
T6 "BSH103" SOT95P230X110-3N 8.025,14.675 r0 top locked
TP1 "SMD Pad" C100 52.75,38.496 r90 top
TP2 "SMD Pad" C100 51.5,38.496 r270 top
TP3 "SMD Pad" C100 50.25,38.496 r270 top
TP4 "SMD Pad" C100 49,38.496 r90 top
TP5 "SMD Pad" C100 17.775,5.725 r180 top locked
TP6 "SMD Pad" C100 14.301,1.1 r0 top locked
TP7 "SMD Pad" C100 5.55,16.6 r0 top locked
TP8 "SMD Pad" C100 10.825,9.1 r180 top locked
TP9 "SMD Pad" C100 32.35,13.5 r180 top locked
TP10 "SMD Pad" C100 26.85,1.05 r180 top locked
TP11 "SMD Pad" C100 27.925,9.175 r180 top locked
TP12 "SMD Pad" C100 23.925,3.15 r180 top locked
TP13 "SMD Pad" C100 83.125,35.296 r270 top
TP14 "SMD Pad" C100 74.4,7.996 r270 top
TP15 "SMD Pad" C100 84.3,26.434 r270 top
TP16 "SMD Pad" C100 36.575,5.925 r0 bottom locked

## Footprints (in the part's own frame and the unit in brackets; to place one, negate y for a bottom-side part, rotate by r counter-clockwise, add the part's x,y. Pads: shape width x height; smd on the part's side, far side on the other; paste and mask are expansions set on the pad)
3M_5607-4200-SH [mm] "1.27mm (.050\") Pitch, Surface Mount, Right Angle, Serial ATA Plug (SATA)"
  rect 0.9x2 smd: 1(3.81,0) 2(2.54,0) 3(1.27,0) 4(0,0) 5(-1.27,0) 6(-2.54,0) 7(-3.81,0)
  rect 2.2x2.8 hole 1.5: 8(-6.37,-2.36) 8(6.37,-2.36)
  silkscreen extent -9.11,-4.56 8.36,1.64, body extent -9.11,-10.71 8.36,0.79, height 4
AMPHENOL_34-1030-12G [mm] "75 Ohm HD-BNC Through Hole Right Angle PCB Jack"
  round 1.5 hole 0.8: 1(0,0)
  round 2.4 hole 1.7: 2(-2.54,2.54) 2(-2.54,-2.54) 2(2.54,2.54) 2(2.54,-2.54)
  silkscreen extent -16.55,-3.75 3.75,3.75, body extent -16.55,-3.75 3.75,3.75, height 8
AMPHENOL_282139-75 [mm] "75 Ohm 1.0/2.3 Right Angle Through Hole PCB Jack"
  round 1.6 hole 0.9: 1(0,0)
  oval 1.6x2.1 hole 1.4: 2(-2.54,2.54) 2(-2.54,-2.54)
  round 2.1 hole 1.4: 2(2.54,2.54) 2(2.54,-2.54)
  silkscreen extent -17.04,-3.67 3.5,3.67, body extent -17.04,-3.67 3.5,3.67, height 7.4
BGA25C127P5X5_625X625X262 [mm] "BGA, 1.27mm Pitch, Square; 25 Pin, 5 Columns X 5 Rows, 6.25mm X 6.25mm X 2.62mm H"
  round 0.6 smd: A1(-2.54,2.54) A2(-1.27,2.54) A3(0,2.54) A4(1.27,2.54) A5(2.54,2.54) B1(-2.54,1.27) B2(-1.27,1.27) B3(0,1.27) B4(1.27,1.27) B5(2.54,1.27) C1(-2.54,0) C2(-1.27,0) C3(0,0) C4(1.27,0) C5(2.54,0) D1(-2.54,-1.27) D2(-1.27,-1.27) D3(0,-1.27) D4(1.27,-1.27) D5(2.54,-1.27) E1(-2.54,-2.54) E2(-1.27,-2.54) E3(0,-2.54) E4(1.27,-2.54) E5(2.54,-2.54)
  silkscreen extent -3.71,-3.15 3.15,3.15, body extent -3.12,-3.12 3.13,3.13, height 2.62